# Altium PCB finalproject_pcb.PcbDoc (continued)
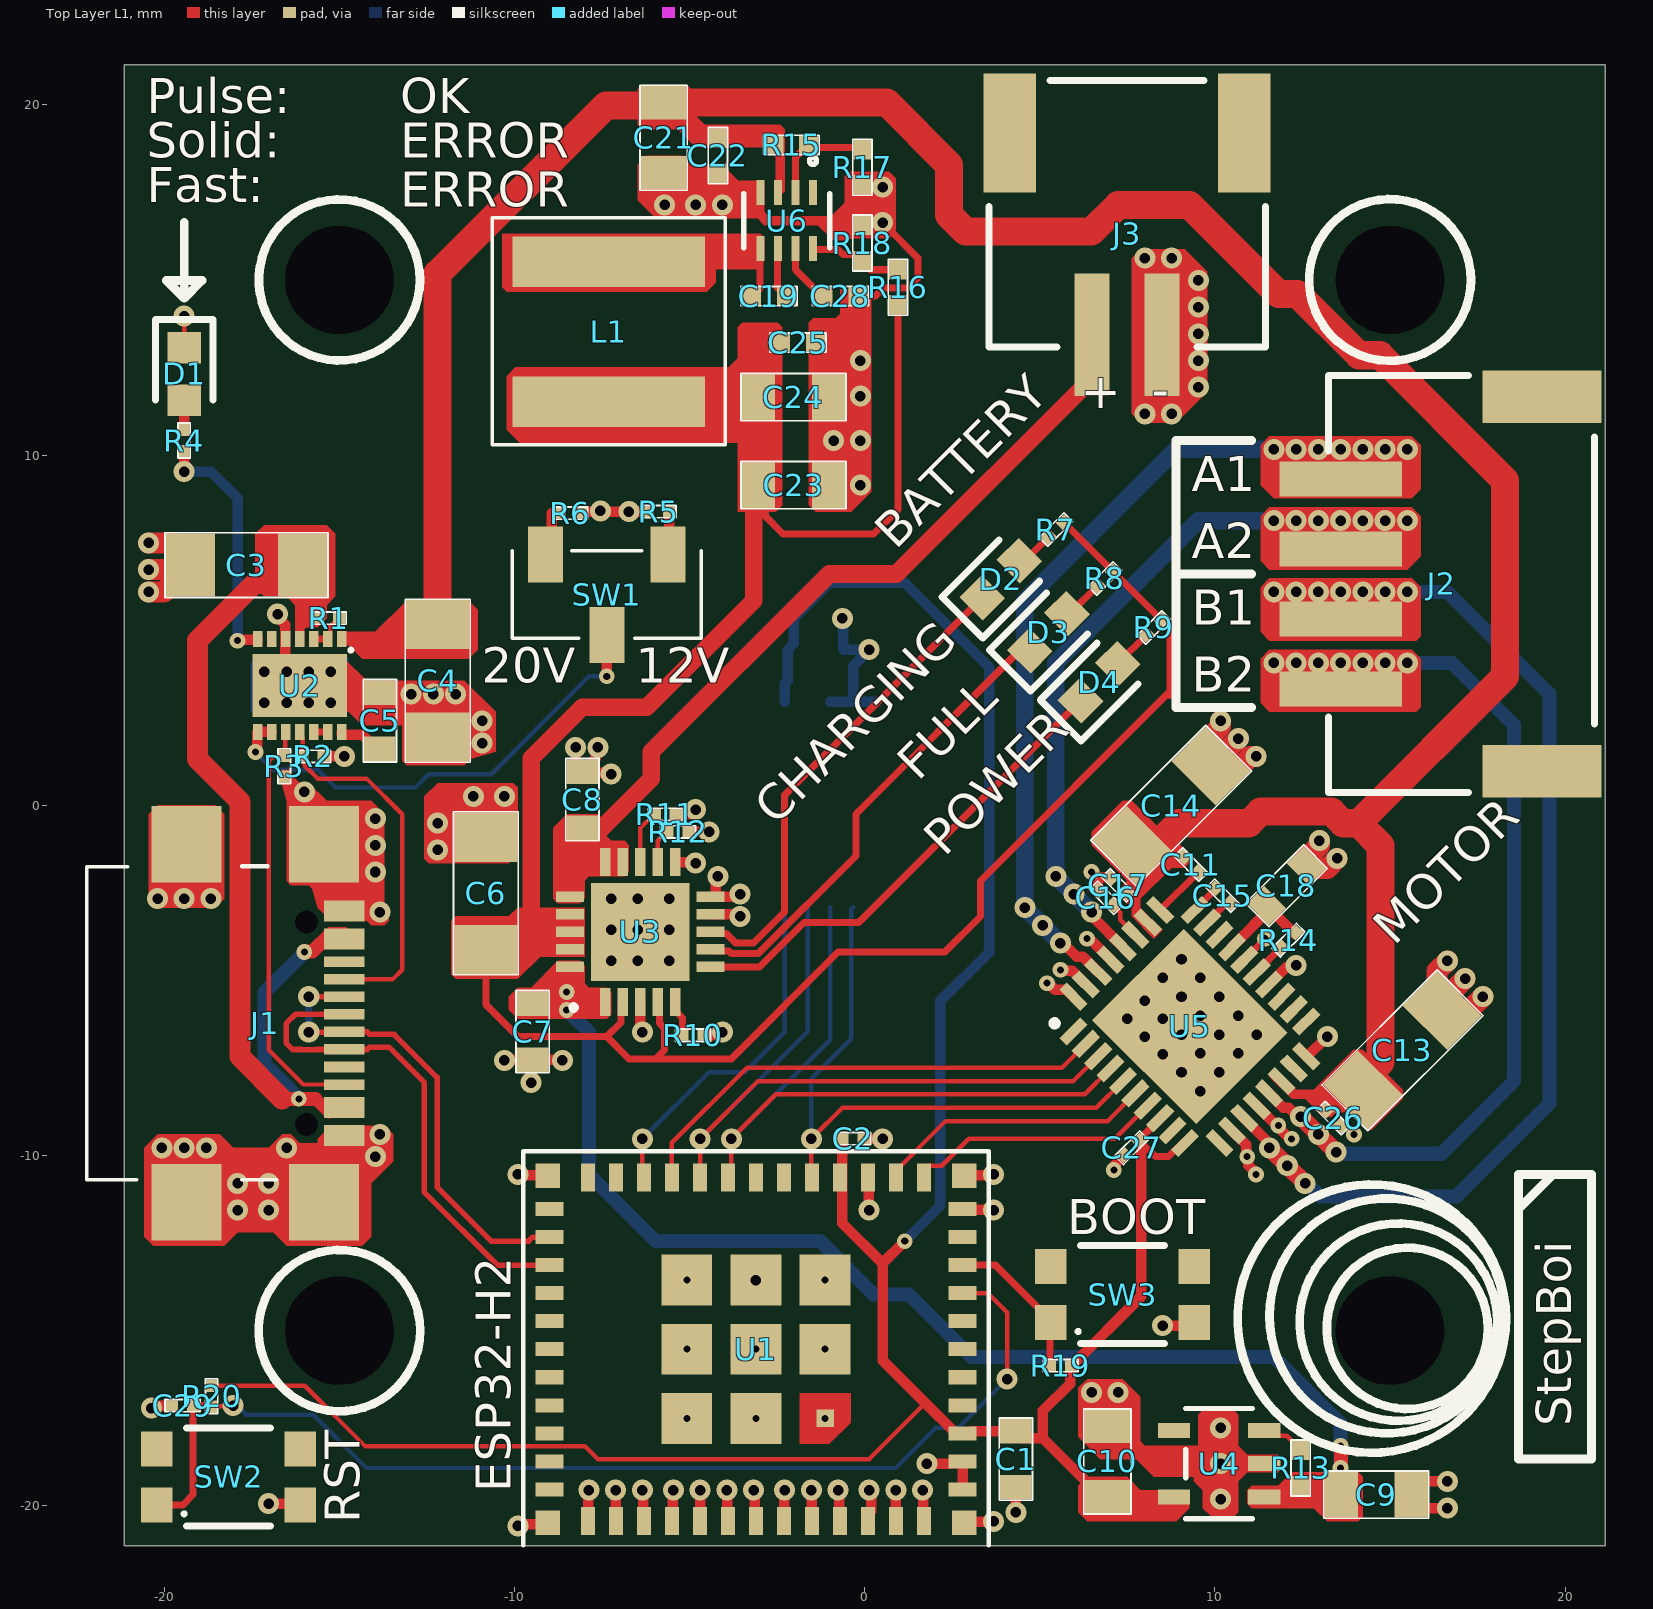
[diagram p0: Top Layer L1 view]
## Footprints (in the part's own frame and the unit in brackets; to place one, negate y for a bottom-side part, rotate by r counter-clockwise, add the part's x,y. Pads: shape width x height; smd on the part's side, far side on the other; paste and mask are expansions set on the pad)
74439346068 [mm]
  rect 5.5x1.45 smd: 1(0,2) 2(0,-2)
  silkscreen extent -3.32,-3.22 3.32,3.25, body extent -3.32,-3.22 3.32,3.22, height 5.2
AP33771CFBZ13FA01 [mm]
  rect 0.27x0.45 smd: 1(-1.2,-1.325) 2(-0.8,-1.325) 3(-0.4,-1.325) 4(0,-1.325) 5(0.4,-1.325) 6(0.8,-1.325) 7(1.2,-1.325) 8(1.2,1.325) 9(0.8,1.325) 10(0.4,1.325) 11(0,1.325) 12(-0.4,1.325) 13(-0.8,1.325) 14(-1.2,1.325)
  rect 2.7x1.8 smd: 15(0,0)
  silkscreen extent -1.5,-1.06 -1.4,-0.96, body extent -1.51,-1.51 1.49,1.49, height 0.75
CAP_0201 [mm]
  rect 0.35x0.3 smd mask+0.05: 1(-0.3,0) 2(0.3,0)
  silkscreen extent -0.5,-0.18 0.5,0.18, body extent -0.3,-0.15 0.3,0.15, height 0.33
CAP_0402 [mm]
  rect 0.55x0.5 smd mask+0.05: 1(-0.5,0) 2(0.5,0)
  silkscreen extent -0.8,-0.28 0.8,0.28, body extent -0.5,-0.25 0.5,0.25, height 0.55
CAP_0603 [mm]
  rect 0.7x0.9 smd mask+0.05: 1(-0.8,0) 2(0.8,0)
  silkscreen extent -1.17,-0.48 1.17,0.48, body extent -0.8,-0.4 0.8,0.4, height 0.9
CAP_0805 [mm]
  rect 0.95x1.3 smd mask+0.05: 1(-1,0) 2(1,0)
  silkscreen extent -1.5,-0.67 1.5,0.67, body extent -1,-0.63 1,0.63, height 1.35
CAP_1206 [mm]
  rect 1.4x1.8 smd mask+0.05: 1(-1.6,0) 2(1.6,0)
  silkscreen extent -2.32,-0.92 2.32,0.92, body extent -1.6,-0.8 1.6,0.8, height 1.4
CJS1200TA2 [mm]
  rect 1x1.6 smd: 1(-1.75,-1.15) 2(0,1.15) 3(1.75,-1.15)
  silkscreen extent -2.7,-1.25 2.7,1.25, body extent -2.7,-1.4 2.7,1.4, height 2.86
KMR232NGULCLFS [mm]
  rect 0.9x1 smd: 1(2.05,0.8) 2(2.05,-0.8) 3(-2.05,-0.8) 4(-2.05,0.8)
  silkscreen extent -1.2,-1.4 1.32,1.4, body extent -2.3,-1.4 2.3,1.4, height 1.92
LEDC1608X70N [mm]
  rect 0.9x0.95 smd: 1(-0.75,0) 2(0.75,0)
  silkscreen extent -1.55,-0.82 0.75,0.82, body extent -0.8,-0.4 0.8,0.4, height 0.53
MODULE_ESP32-H2-MINI-1-H2 [mm]
  rect 0.8x0.4 smd: 1(-5.9,1.3) 2(-5.9,0.5) 3(-5.9,-0.3) 4(-5.9,-1.1) 5(-5.9,-1.9) 6(-5.9,-2.7) 7(-5.9,-3.5) 8(-5.9,-4.3) 9(-5.9,-5.1) 10(-5.9,-5.9) 11(-5.9,-6.7) 25(5.9,-6.7) 26(5.9,-5.9) 27(5.9,-5.1) 28(5.9,-4.3) 29(5.9,-3.5) 30(5.9,-2.7) 31(5.9,-1.9) 32(5.9,-1.1) 33(5.9,-0.3) 34(5.9,0.5) 35(5.9,1.3)
  rect 0.4x0.8 smd: 12(-4.8,-7.6) 13(-4,-7.6) 14(-3.2,-7.6) 15(-2.4,-7.6) 16(-1.6,-7.6) 17(-0.8,-7.6) 18(0,-7.6) 19(0.8,-7.6) 20(1.6,-7.6) 21(2.4,-7.6) 22(3.2,-7.6) 23(4,-7.6) 24(4.8,-7.6) 36(4.8,2.2) 37(4,2.2) 38(3.2,2.2) 39(2.4,2.2) 40(1.6,2.2) 41(0.8,2.2) 42(0,2.2) 43(-0.8,2.2) 44(-1.6,2.2) 45(-2.4,2.2) 46(-3.2,2.2) 47(-4,2.2) 48(-4.8,2.2)
  rect 1.45x1.45 smd: 49_1(0,-2.7) 49_3(0,-0.725) 49_4(1.975,-0.725) 49_5(-1.975,-2.7) 49_6(1.975,-2.7) 49_7(-1.975,-4.675) 49_8(0,-4.675) 49_9(1.975,-4.675)
  rect 0.5x0.5 smd paste-1 mask+0: 49_2(-1.975,-0.725)
  rect 0.7x0.7 smd: 50(5.95,2.25) 51(5.95,-7.65) 52(-5.95,-7.65) 53(-5.95,2.25)
  Top Layer L1 region: -1.25,-1.45 -2.7,-1.45 -2.7,-0.6 -2.1,0 -1.25,0
  silkscreen extent -6.65,-8.35 6.65,2.9, body extent -6.6,-8.3 6.6,8.3, height 2.55
QFN50P400X400X100-21N-D [mm]
  rect 0.8x0.3 smd: 1(-2,1) 2(-2,0.5) 3(-2,0) 4(-2,-0.5) 5(-2,-1) 11(2,-1) 12(2,-0.5) 13(2,0) 14(2,0.5) 15(2,1)
  rect 0.3x0.8 smd: 6(-1,-2) 7(-0.5,-2) 8(0,-2) 9(0.5,-2) 10(1,-2) 16(1,2) 17(0.5,2) 18(0,2) 19(-0.5,2) 20(-1,2)
  rect 2.8x2.8 smd: 21(0,0)
  silkscreen extent -2.18,1.88 -2.13,1.93, body extent -2.05,-2.05 2.05,2.05, height 1
QFN50P500X600X90-37N [mm]
  rect 0.85x0.3 smd: 1(-2.45,2.25) 2(-2.45,1.75) 3(-2.45,1.25) 4(-2.45,0.75) 5(-2.45,0.25) 6(-2.45,-0.25) 7(-2.45,-0.75) 8(-2.45,-1.25) 9(-2.45,-1.75) 10(-2.45,-2.25) 19(2.45,-2.25) 20(2.45,-1.75) 21(2.45,-1.25) 22(2.45,-0.75) 23(2.45,-0.25) 24(2.45,0.25) 25(2.45,0.75) 26(2.45,1.25) 27(2.45,1.75) 28(2.45,2.25)
  rect 0.3x0.85 smd: 11(-1.75,-2.95) 12(-1.25,-2.95) 13(-0.75,-2.95) 14(-0.25,-2.95) 15(0.25,-2.95) 16(0.75,-2.95) 17(1.25,-2.95) 18(1.75,-2.95) 29(1.75,2.95) 30(1.25,2.95) 31(0.75,2.95) 32(0.25,2.95) 33(-0.25,2.95) 34(-0.75,2.95) 35(-1.25,2.95) 36(-1.75,2.95)
  rect 3.7x4.2 smd: 37(0,0)
  silkscreen extent -2.72,2.74 -2.62,2.84, body extent -2.55,-3.06 2.55,3.04, height 0.9
RES_0201 [mm]
  rect 0.35x0.3 smd mask+0.05: 1(-0.3,0) 2(0.3,0)
  silkscreen extent -0.5,-0.18 0.5,0.18, body extent -0.3,-0.15 0.3,0.15, height 0.23
RES_0402 [mm]
  rect 0.55x0.5 smd mask+0.05: 1(-0.5,0) 2(0.5,0)
  silkscreen extent -0.8,-0.28 0.8,0.28, body extent -0.5,-0.25 0.5,0.25, height 0.35
S2BPHSM4TBLFSN [mm]
  rect 1x3.5 smd: 1(1,-3.45) 2(-1,-3.45)
  rect 1.5x3.4 smd: 3(3.35,2.3) 4(-3.35,2.3)
  silkscreen extent -3.95,-3.8 3.95,3.8, body extent -3.96,-4.55 3.94,4.05, height 5.5
S4BPHSM4TBLFSN [mm]
  rect 1x3.5 smd: 1(3,-3.45) 2(1,-3.45) 3(-1,-3.45) 4(-3,-3.45)
  rect 1.5x3.4 smd: 5(5.35,2.3) 6(-5.35,2.3)
  silkscreen extent -5.95,-3.8 5.95,3.8, body extent -6.04,-4.69 5.86,3.91, height 5.5
SOP65P640X120-16N [mm]
  rect 1.475x0.45 smd: 1(-2.938,2.275) 2(-2.938,1.625) 3(-2.938,0.975) 4(-2.938,0.325) 5(-2.938,-0.325) 6(-2.938,-0.975) 7(-2.938,-1.625) 8(-2.938,-2.275) 9(2.938,-2.275) 10(2.938,-1.625) 11(2.938,-0.975) 12(2.938,-0.325) 13(2.938,0.325) 14(2.938,0.975) 15(2.938,1.625) 16(2.938,2.275)
  silkscreen extent -3.67,-2.5 1.85,2.85, body extent -3.2,-2.5 3.2,2.5, height 1.2
SOT-5X3-8_DRL_TEX [mil]
  rect 28x9 smd paste+0 mask+0: 1(-31.5,29.53) 2(-31.5,9.84) 3(-31.5,-9.85) 4(-31.5,-29.53) 5(31.5,-29.53) 6(31.5,-9.85) 7(31.5,9.84) 8(31.5,29.53)
  silkscreen extent -71,-49 31,49, body extent -34,-44 34,44, height 24
SOT-25_TOR [mil]
  rect 36.5x17 smd paste+0 mask+0: 1(-50.75,37.4) 2(-50.75,0) 3(-50.75,-37.4) 4(50.75,-37.4) 5(50.75,37.4)
  silkscreen extent -38,-62 38,62, body extent -55,-57 55,57, height 51
USB4110GFA [mm]
  rect 0.3x1.15 smd: A1(-3.35,3.678) A4(-2.55,3.678) A5(-1.25,3.678) A6(-0.25,3.678) A7(0.25,3.678) A8(1.25,3.678) A9(2.55,3.678) A12(3.35,3.678) B1(3.05,3.678) B4(2.25,3.678) B5(1.75,3.678) B6(0.75,3.678) B7(-0.75,3.678) B8(-1.75,3.678) B9(-2.25,3.678) B12(-3.05,3.678)
  round 0.325 hole 0.65 unplated: MH1(-2.89,2.603) MH2(2.89,2.603)
  rect 2.18x2 smd: MP1(-5.11,-0.827) MP2(5.11,-0.827) MP3(-5.11,3.103) MP4(5.11,3.103)
  silkscreen extent -4.5,-3.68 4.47,1.75, body extent -5.65,-3.87 5.65,3.83, height 3.26

## Part data
D1 D2 D3 D4: "Red 615~630nm 1.9~2.2V 0603 Light Emitting Diodes (LED) RoHS", Manufacturer_Name="Hubei KENTO Elec", Datasheet Link=https://datasheet.lcsc.com/szlcsc/Hubei-KENTO-Elec-KT-0603R_C2286.pdf, Geometry.Height=0.7mm, Manufacturer_Part_Number=KT-0603R
J1: "CONN USB 2.0 TYPE-C R/A SMT", Manufacturer_Name="GCT (GLOBAL CONNECTOR TECHNOLOGY)", Mouser Part Number=640-USB4110-GF-A, Datasheet Link=https://gct.co/files/drawings/usb4110.pdf, Geometry.Height=3.26mm, Manufacturer_Part_Number=USB4110-GF-A, Mouser Price/Stock=https://www.mouser.co.uk/ProductDetail/GCT/USB4110-GF-A?qs=KUoIvG%2F9IlYiZvIXQjyJeA%3D%3D
J2: "Connector Header Surface Mount, Right Angle 4 position 0.079\" (2.00mm)", Manufacturer_Name="JST (JAPAN SOLDERLESS TERMINALS)", Manufacturer_Part_Number="S4B-PH-SM4-TB (LF)(SN)", Datasheet Link=https://www.jst-mfg.com/product/pdf/eng/ePH.pdf, Geometry.Height=5.5mm
J3: "Connector Header Surface Mount, Right Angle 2 position 0.079\" (2.00mm)", Manufacturer_Name="JST (JAPAN SOLDERLESS TERMINALS)", Manufacturer_Part_Number="S2B-PH-SM4-TB (LF)(SN)", Datasheet Link=https://www.jst-mfg.com/product/pdf/eng/ePH.pdf, Geometry.Height=5.5mm
L1: library part 74439346068, "WE-XHMI SMT Power Inductor Size 6060; L = 6,8 H ; IR = 6,5 A; Isat = 10 A; RDC = 17,6 m", Manufacturer_Name="Wurth Elektronik", Mouser Part Number=710-74439346068, Datasheet Link=https://www.we-online.com/catalog/datasheet/74439346068.pdf, Geometry.Height=6.1mm, Manufacturer_Part_Number=74439346068, Mouser Price/Stock=https://www.mouser.co.uk/ProductDetail/Wurth-Elektronik/74439346068?qs=NSAOzM2zc%2FVj5BeHYKNgfQ%3D%3D
SW1: "SPDT, ON-ON Slide, 100mA @ 6V DC J-Hook SMD Terminals, T&R 1,000 pc Packaging, Non-washable with tape - Tape and Reel", Manufacturer_Name="Nidec Copal", Mouser Part Number=229-CJS-1200TA2, Datasheet Link=http://www.nidec-copal-electronics.com/j/catalog/switch/cjs.pdf, Geometry.Height=2.5mm, Manufacturer_Part_Number=CJS-1200TA2, Mouser Price/Stock=https://www.mouser.co.uk/ProductDetail/Nidec-Components/CJS-1200TA2?qs=XeJtXLiO41Rf26ws0igWdA%3D%3D
SW2 SW3: "Tactile Switch SPST-NO Top Actuated Surface Mount 0.05A @ 32VDC -40C ~ 85C", Arrow Part Number="KMR232NG ULC LFS", Manufacturer_Name="C & K COMPONENTS", Mouser Part Number=611-KMR232NGULCLFS, Arrow Price/Stock=https://www.arrow.com/en/products/kmr232ngulclfs/ck?region=nac, Datasheet Link=https://www.vishay.com/docs/96283/vs-mbr2035_45ct-m3.pdf, Geometry.Height=2.7mm, Manufacturer_Part_Number="KMR232NG ULC LFS", Mouser Price/Stock=https://www.mouser.co.uk/ProductDetail/CK/KMR232NG-ULC-LFS?qs=3gW96gqhLbq2FY2oEdURkw%3D%3D
U1: "802.15.4, Bluetooth Bluetooth v5.3, ZigbeeÂ® Transceiver Module 2.4GHz Integrated, Trace Surface Mount", Package="SMD-53 Espressif Systems", Check_prices=https://www.snapeda.com/parts/ESP32-H2-MINI-1-H2/Espressif+Systems/view-part/?ref=eda, MF="Espressif Systems", MP=ESP32-H2-MINI-1-H2, SnapEDA_Link=https://www.snapeda.com/parts/ESP32-H2-MINI-1-H2/Espressif+Systems/view-part/?ref=snap
U2: "Easy-To-Use USB PD3.1 EPR Sink Controller", Manufacturer_Name="Diodes Incorporated", Mouser Part Number=621-P33771CFBZ13FA01, Arrow Part Number=AP33771CFBZ-13-FA01, Arrow Price/Stock=https://www.arrow.com/en/products/ap33771cfbz-13-fa01/diodes-incorporated?utm_currency=USD&region=nac, Datasheet Link=https://www.diodes.com/datasheet/download/AP33771C.pdf, Geometry.Height=0.8mm, Manufacturer_Part_Number=AP33771CFBZ-13-FA01, Mouser Price/Stock=https://www.mouser.co.uk/ProductDetail/Diodes-Incorporated/AP33771CFBZ-13-FA01?qs=2wMNvWM5ZX7JpCFGcPz6nw%3D%3D
U3: "MICROCHIP - MCP73871-1AAI/ML - USB/AC BATTERY CHARGER WITH POWER PATH MANAGEMENT, 20 QFN 4X4X0.9MM TUBE", Arrow Part Number=MCP73871-1AAI/ML, Manufacturer_Name=Microchip, Mouser Part Number=579-MCP73871-1AAI/ML, Arrow Price/Stock=https://www.arrow.com/en/products/mcp73871-1aaiml/microchip-technology, Datasheet Link=https://www.arrow.com/en/products/mcp73871-1aaiml/microchip-technology, Geometry.Height=1mm, Manufacturer_Part_Number=MCP73871-1AAI/ML, Mouser Price/Stock=https://www.mouser.co.uk/ProductDetail/Microchip-Technology/MCP73871-1AAI-ML?qs=wd5RIQLrsJigic%252B62l919g%3D%3D
U4: "Description", Manufacturer_Name="Torex Semiconductor", Copyright="Copyright (C) 2025 Ultra Librarian. All rights reserved.", Manufacturer_Part_Number=XC6220B331MR-G, RefDes=RefDes, Type=Type
U5: "Silent stepper motor driver 5 to 46V, up to 1.2A with S/D and SPI Interface, 256 Steps, CoolStep, StallGuard and StealthChop", Manufacturer_Name="Analog Devices", Mouser Part Number=700-TMC2130LA, Arrow Part Number=TMC2130-LA, Arrow Price/Stock=https://www.arrow.com/en/products/tmc2130-la/analog-devices?utm_currency=USD&region=nac, Datasheet Link=https://www.analog.com/TMC2130/datasheet, Geometry.Height=0.9mm, Manufacturer_Part_Number=TMC2130-LA, Mouser Price/Stock=https://www.mouser.co.uk/ProductDetail/ADI-Trinamic/TMC2130-LA?qs=TiOZkKH1s2ScTTewbXPgVg%3D%3D
U6: "3.8-V to 30-V, 3-A, 200-kHz to 2.2-MHz, low-IQ synchronous buck converter in SOT-583 package 8-SOT-5X3 -40 to 150", Manufacturer_Name="Texas Instruments", Copyright="Copyright (C) 2025 Ultra Librarian. All rights reserved.", Manufacturer_Part_Number=TPS62933DRLR, RefDes=RefDes, Type=Type
U7: "21-Bit High Accuracy Magnetic Angle Encoder IC", Manufacturer_Name=NOVOSENSE, Datasheet Link=https://www.novosns.com/enfiles/MT6835_Rev.1.3.pdf, Geometry.Height=1.2mm, Manufacturer_Part_Number=MT6835

## Free pads (board coordinates)
  round 0 hole 3.1 mask+0.064: 2(-15,-15) 2(-15,15) 2(15,-15) 2(15,15)

## Via types
v1: diameter 0.6, hole 0.3, Top Layer L1 to Bottom Layer L4, tented both sides, 199 vias
v2: diameter 0.45, hole 0.2, Top Layer L1 to Bottom Layer L4, tented both sides, 29 vias

## Nets (pads, with @x,y where several pads share a name; then routed paths per layer and width w, separated by ;. In a path a pad name is that pad's centre, name@x,y a point inside that pad or via, vN(x,y) a via of type N, cw(c..) or ccw(c..) an arc to the next point about the centre after c; other vN are vias at no path point)
3V3: C1.2 C2.1 C10.2 C12.2 C27.2 R19.2 R20.2 U1.3 U1.15 U4.5 U5.8 U5.10 U7.9 | length 76.8
  Top Layer L1 w0.127: R20.2 -15.99,-16.575 -14.268,-18.297 -7.992,-18.297 -7.62,-18.669 0.127,-18.669 1.729,-17.067
  Top Layer L1 w0.2: U5.8 8.435,-8.948 7.832,-9.551 C27.2 8.298,-10.033 8.678,-10.033 9.072,-9.64 U5.10
  Top Layer L1 w0.3: C2.1 -0.638,-11.935 0.508,-13.081 ; v2(1.143,-12.446) 0.508,-13.081 ; C10.2 6.751,-19.737 5.083,-18.069 ; C27.2 7.814,-9.585 7.889,-9.659 7.889,-14.026 5.913,-16.002 R19.2 5.863,-16.002 5.863,-16.514 5.083,-17.294 5.083,-18.069 ; 0.508,-13.081 0.508,-15.846 1.729,-17.067 2.594,-17.932 U1.3 2.994,-17.932 3.057,-17.869 C1.2 4.518,-18.069 5.083,-18.069
  Bottom Layer L4 w0.3: U7.9 -2.281,3.475 -2.197,3.559 C12.2 -2.021,4.621 -2.021,5.345 -1.016,6.35 1.143,6.35 3.556,3.937 3.556,-4.191 2.159,-5.588 2.159,-11.43 v2(1.143,-12.446)
5V: C6.2 C23.2 C24.2 C25.2 L1.2 R7.2 R8.2 R9.2 R16.2 U3.2 U3.4 U3.17 U3.18 U3.19 | length 64.8
  Top Layer L1 w0.2: C6.2 -10.815,-5.695 -9.906,-6.604 -7.366,-6.604 ; U3.2 -6.959,-5.665 -6.959,-6.197 -7.366,-6.604 ; U3.4 -5.859,-5.665 -5.859,-6.223 -5.715,-6.367 -5.715,-6.985 -5.969,-7.239 ; R7.2 8.716,5.044 ; 8.716,3.128 8.716,4.917 ; 8.716,3.255 3.302,-2.159 3.302,-3.175 2.286,-4.191 -0.762,-4.191 -3.81,-7.239 -5.969,-7.239 ; -7.366,-6.604 -6.731,-7.239 -5.969,-7.239
  Top Layer L1 w0.203: C23.2 -2.842,8.953 -2.842,8.257 -2.331,7.747 0.254,7.747 0.948,8.441 R16.2
  Top Layer L1 w0.5: C6.2 -10.365,-3.662 -9.797,-3.662 -9.525,-3.39 -9.525,1.338 -8.069,2.794 -6.223,2.794 -3.175,5.842 -3.175,9.001 C23.2
5VOUT: C18.2 R14.2 U5.25 | length 2.7
  Top Layer L1 w0.3: U5.25 10.68,-3.859 10.68,-3.85 11.472,-3.058 C18.2 12.222,-3.614 R14.2@12.222,-3.657
A1: J2.4 U5.34 | length 24.3
  Top Layer L1 w0.3: v1(5.588,-3.937) 5.669,-3.937 6.058,-4.326 6.233,-4.326 U5.34
  Bottom Layer L4 w0.5: v1(5.588,-3.937) v1(5.08,-3.429) v1(4.572,-2.921) 4.572,5.842 8.89,10.16 v1(15.494,10.16)
  other v1: 11.684,10.16 12.319,10.16 12.954,10.16 13.589,10.16 14.224,10.16 14.859,10.16
A2: J2.3 U5.32 | length 20.6
  Top Layer L1 w0.3: v1(6.477,-3.048) 6.534,-3.105 6.534,-3.214 U5.32
  Bottom Layer L4 w0.5: v1(6.477,-3.048) v1(5.969,-2.54) v1(5.461,-2.032) 5.461,4.064 9.525,8.128 v1(15.494,8.128)
  other v1: 11.684,8.128 12.319,8.128 12.954,8.128 13.589,8.128 14.224,8.128 14.859,8.128
B1: J2.2 U5.13 | length 33
  Top Layer L1 w0.3: U5.13 11.5,-9.593 11.5,-9.722 v1(11.557,-9.779)
  Top Layer L1 w0.5: v1(11.557,-9.779) v1(12.065,-10.287) v1(12.573,-10.795)
  Bottom Layer L4 w0.4: v1(11.557,-9.779) v1(12.065,-10.287) v1(12.573,-10.795) 12.627,-10.795 13.008,-11.176 16.891,-11.176 19.558,-8.509 19.558,3.175 16.637,6.096 v1(11.684,6.096)
  other v1: 12.319,6.096 12.954,6.096 13.589,6.096 14.224,6.096 14.859,6.096 15.494,6.096
B2: J2.1 U5.15 | length 27.8
  Top Layer L1 w0.3: U5.15 11.954,-8.634 12.108,-8.634 12.365,-8.89 v1(12.446,-8.89)
  Top Layer L1 w0.5: v1(12.446,-8.89) v1(12.954,-9.398) v1(13.462,-9.906)
  Bottom Layer L4 w0.4: v1(11.684,4.064) 16.764,4.064 18.542,2.286 18.542,-7.874 16.466,-9.95 13.741,-9.95 13.736,-9.944 13.5,-9.944 v1(13.462,-9.906) v1(12.954,-9.398) v1(12.446,-8.89)
  other v1: 12.319,4.064 12.954,4.064 13.589,4.064 14.224,4.064 14.859,4.064 15.494,4.064
BOOT: R19.1 SW3.1 U1.9 | length 4.5
  Top Layer L1 w0.2: U1.9 3.728,-13.132 5.316,-14.72 SW3.1 5.288,-14.798 R19.1
CC1: J1.A5 R2.2 U2.11 | length 10.6
  Top Layer L1 w0.127: U2.11 -16.127,2.005 -16.048,1.925 R2.2 -15.99,1.339 -15.99,1.131 -15.621,0.762 -14.224,0.762 -13.208,-0.254 -13.208,-4.699 -13.482,-4.973 J1.A5
CC2: J1.B5 R3.2 U2.10 | length 12
  Top Layer L1 w0.127: U2.10 -16.551,2.071 -16.551,1.438 -16.616,1.373 -16.915,1.373 -17.018,1.27 -17.018,-6.985 -16.03,-7.973 J1.B5
DIR: U1.12 U5.7 | length 7.4
  Top Layer L1 w0.127: U1.12 1.694,-10.432 1.83,-10.295 2.197,-10.295 2.968,-9.525 7.136,-9.525 U5.7
GND: C1.1 C2.2 C3.1 C4.1 C5.1 C6.1 C7.1 C8.1 C9.1 C10.1 C12.1 C13.1 C14.1 C16.1 C17.1 C18.1 C21.1 C22.1 C23.1 C24.1 C25.1 C26.1 C27.1 C28.1 C29.1 D1.1 J1.A1 J1.A12 J1.B1 J1.B12 J1.MP1 J1.MP2 J1.MP3 J1.MP4 J3.1 R2.1 R3.1 R5.2 R6.2 R10.1 R11.1 R12.1 R17.1 R18.1 SW2.4 SW3.4 U1.1 U1.2 U1.11 U1.14 U1.36 U1.37 U1.38 U1.39 U1.40 U1.41 U1.42 U1.43 U1.44 U1.45 U1.46 U1.47 U1.48 U1.49_1 U1.49_2 U1.49_3 U1.49_4 U1.49_5 U1.49_6 U1.49_7 U1.49_8 U1.49_9 U1.50 U1.51 U1.52 U1.53 U2.5 U2.15 U3.3 U3.9 U3.10 U3.11 U3.21 U4.2 U5.12 U5.14 U5.18 U5.22 U5.24 U5.33 U5.35 U5.36 U5.37 U6.4 U7.11 U7.12 U7.13 | length 77.6
  Top Layer L1 w0.127: D1.1 v1(-19.431,13.97)
  Top Layer L1 w0.2: C28.1 0.313,14.537 0.544,14.768 1.235,14.768 1.524,15.057 1.524,15.621 0.635,16.51 0.635,16.637 v1(0.508,16.637) ; U5.24 10.839,-4.404 11.43,-3.813 v2(11.43,-3.81)
  Top Layer L1 w0.3: v1(-20.366,-17.217) -20.285,-17.217 -20.213,-17.145 C29.1 ; v1(-17.018,-19.939) -16.149,-19.939 SW2.4 ; v1(-16.764,5.461) -16.764,5.38 -16.541,5.157 -16.541,3.841 v1(-16.51,3.81) ; R2.1 v1(-14.859,1.397) ; C6.1@-11.069,-0.658 C6.1 C6.1@-10.409,-1.318 ; C6.1@-10.459,-0.556 C6.1@-10.307,-0.404 ; v1(-10.287,-7.282) -10.277,-7.272 C7.1@-9.496,-7.272 ; v1(-9.906,-20.574) -9.86,-20.528 -9.102,-20.528 U1.50 ; v1(-9.906,-10.541) -9.885,-10.562 -9.077,-10.562 U1.51 ; v1(-9.525,-7.917) -9.525,-7.3 C7.1@-9.496,-7.272 ; v1(-8.636,-7.282) -8.646,-7.272 C7.1@-9.496,-7.272 ; v1(-8.255,1.651) -8.255,1.155 C8.1 -8.025,0.925 -7.275,0.925 v1(-7.239,0.889) ; R6.2 -8.08,8.343 -8.041,8.382 R5.2 ; C8.1@-7.961,0.962 -7.761,1.162 -7.761,1.262 -7.677,1.346 -7.677,1.594 v1(-7.62,1.651) ; U1.36 -7.89,-20.416 -7.89,-19.574 v1(-7.874,-19.558) ; v1(-7.112,-19.558) -7.109,-19.561 -7.109,-20.429 U1.37 ; U3.3 -6.409,-6.337 -6.35,-6.396 v1(-6.35,-6.477) ; v1(-6.35,-19.558) -6.328,-19.58 -6.328,-20.41 U1.38 ; U1.39 -5.483,-20.409 -5.483,-19.58 v1(-5.461,-19.558) ; U3.11 -5.409,-1.633 -4.844,-1.633 v1(-4.826,-1.651) ; R11.1 -5.041,-0.26 -4.907,-0.127 v1(-4.826,-0.127) ; R12.1 v1(-4.445,-0.762) ; U1.40 -4.703,-20.429 -4.703,-19.562 v1(-4.699,-19.558) ; R10.1 -4.235,-6.567 -4.145,-6.477 v1(-4.064,-6.477) ; U3.9 -3.697,-3.115 -3.637,-3.175 v1(-3.556,-3.175) ; v1(-4.191,-2.032) -4.248,-2.089 -4.248,-2.615 U3.10 -3.712,-2.615 -3.637,-2.54 v1(-3.556,-2.54) ; v1(-3.937,-19.558) -3.922,-19.573 -3.922,-20.417 U1.41 ; v1(-3.175,-19.558) -3.14,-19.593 -3.14,-20.398 U1.42 ; U1.43 -2.296,-20.422 -2.296,-19.568 v1(-2.286,-19.558) ; v1(-1.524,-19.558) -1.515,-19.567 -1.515,-20.423 U1.44 ; v1(-0.762,-19.558) -0.734,-19.586 -0.734,-20.404 U1.45 ; C2.2 0.5,-9.517 v1(0.508,-9.525) ; U1.46 0.094,-20.232 0.184,-20.142 0.184,-19.615 v1(0.127,-19.558) ; U1.14 0.111,-10.649 0.111,-11.541 v1(0.127,-11.557) ; v1(0.889,-19.558) 0.891,-19.56 0.891,-20.43 U1.47 ; v1(1.651,-19.558) 1.672,-19.579 1.672,-20.411 U1.48 ; v1(1.778,-18.796) 2.43,-18.796 2.444,-18.782 2.744,-18.782 U1.2 U1.1 ; U1.11 2.806,-11.545 3.671,-11.545 v1(3.683,-11.557) ; U1.53 2.862,-20.465 3.665,-20.465 v1(3.683,-20.447) ; U1.52 2.865,-10.562 3.662,-10.562 v1(3.683,-10.541) ; v1(4.318,-20.193) C1.1 ; v2(5.207,-5.08) 5.248,-5.08 5.441,-5.274 5.766,-5.274 U5.36 ; v2(5.588,-4.699) 5.617,-4.728 5.927,-4.728 U5.35 ; v2(6.35,-3.81) 6.379,-3.839 6.452,-3.839 U5.33 ; v1(6.477,-16.764) 6.477,-17.412 6.802,-17.737 C10.1 7.239,-17.424 v1(7.239,-16.764) ; C16.1 6.655,-2.411 6.655,-2.123 6.477,-1.946 v2(6.477,-1.905) 6.518,-1.905 6.669,-2.056 7.009,-2.056 C17.1 ; v2(7.112,-10.414) 7.141,-10.385 7.141,-10.258 C27.1 ; v1(8.509,-14.859) 9.327,-14.859 SW3.4 ; U5.12 10.893,-9.694 10.893,-10.004 v2(10.922,-10.033) 10.951,-10.062 10.951,-10.275 11.176,-10.5 v2(11.176,-10.541) ; U5.14 12.11,-9.496 12.163,-9.496 v2(12.192,-9.525) ; U5.22 12.031,-4.629 12.262,-4.629 v1(12.319,-4.572) ; U5.18 12.627,-7.185 v1(13.208,-6.604) ; C9.1 15.605,-19.741 15.93,-20.066 v1(16.637,-20.066) ; C9.1@15.605,-19.629 15.93,-19.304 v1(16.637,-19.304)
  Top Layer L1 w0.6: v1(-20.447,6.096) -20.015,6.096 -19.853,6.258 -19.653,6.258 -19.253,6.658 C3.1 ; v1(-20.447,6.731) -19.38,6.731 C3.1 ; v1(-20.447,7.493) -19.888,7.493 -19.853,7.458 -19.653,7.458 -19.253,7.058 C3.1 ; v1(10.16,2.413) 10.16,2.246 9.741,1.827 9.741,1.261 C14.1 ; v1(10.668,1.905) C14.1 ; v1(11.176,1.397) 11.009,1.397 10.59,0.978 10.024,0.978 C14.1 ; v1(12.983,-1.011) 12.983,-1.141 12.533,-1.592 12.533,-1.662 C18.1 12.675,-1.804 13.207,-1.804 v1(13.491,-1.519) ; v1(16.637,-4.445) 16.345,-4.737 16.345,-5.724 C13.1 ; v1(17.145,-4.953) 16.487,-5.611 C13.1 ; v1(17.653,-5.461) 17.151,-5.963 16.585,-5.963 C13.1
  Bottom Layer L4 w0.3: U7.11 U7.12 ; v1(-0.635,5.334) -0.616,5.315 -0.616,4.464 C12.1 v1(0.127,4.445) -0.331,3.987 U7.12 ; U7.13 U7.12
  other v1: 10.16,-19.812 10.16,-18.796 10.16,-17.78 -3.106,-13.557 -17.907,-11.557 -17.018,-11.557 -17.907,-10.795 -17.018,-10.795 -13.97,-10.033 -20.066,-9.779 -19.431,-9.779 -18.796,-9.779 -16.51,-9.779 -13.843,-9.398 9.584,-8.162 9.045,-7.623 10.123,-7.623 8.509,-7.112 9.584,-7.085 10.662,-7.085 8.001,-6.604 9.045,-6.546 10.123,-6.546 11.201,-6.546 7.493,-6.096 8.509,-6.096 9.584,-6.007 10.662,-6.007 8.001,-5.588 9.045,-5.468 10.123,-5.468 8.506,-4.929 9.584,-4.929 -7.239,-4.445 -6.477,-4.445 -5.588,-4.445 9.045,-4.39 -7.239,-3.556 -6.477,-3.556 -5.588,-3.556 -13.843,-3.048 -20.193,-2.667 -19.431,-2.667 -18.669,-2.667 -7.239,-2.667 -6.477,-2.667 -5.588,-2.667 -13.97,-1.905 -12.192,-1.27 -13.97,-1.143 -12.192,-0.508 -13.97,-0.381 -11.176,0.254 -10.287,0.254 -16.002,0.381 -10.922,1.778 -10.922,2.413 -17.145,2.921 -16.51,2.921 -15.875,2.921 -15.24,2.921 -12.954,3.175 -12.319,3.175 -11.684,3.175 -17.145,3.81 -15.875,3.81 -15.24,3.81 -6.731,8.382 -7.548,8.404 -0.127,9.144 -0.889,10.414 -0.127,10.414 8.001,11.176 8.763,11.176 -0.127,11.684 9.525,11.938 -0.127,12.7 9.525,12.7 9.525,13.462 9.525,14.224 9.525,14.986 8.001,15.621 8.763,15.621 -5.715,17.145 -4.826,17.145 -4.064,17.145 0.508,17.653
  other v2: -5.081,-17.507 -3.106,-17.507 -1.131,-17.507 -5.081,-15.532 -3.106,-15.532 -1.131,-15.532 -5.081,-13.557 -1.131,-13.557 13.97,-9.398 11.811,-9.144
NetC5_2: C5.2 U2.14 | length 1.3
  Top Layer L1 w0.3: U2.14 -14.927,2.035 -14.912,2.02 -14.35,2.02 -13.943,1.613 C5.2
NetC11_1: C11.1 U5.29 | length 1.5
  Top Layer L1 w0.2: U5.29 8.437,-2.993 C11.1
NetC15_1: C15.1 U5.28 | length 0.9
  Top Layer L1 w0.2: U5.28 9.425,-2.974 10.011,-2.388 C15.1
NetC15_2: C15.2 U5.27 | length 0.9
  Top Layer L1 w0.2: U5.27 10.349,-2.777 10.419,-2.777 C15.2
NetC16_2: C16.2 U5.31 | length 1.1
  Top Layer L1 w0.127: C16.2 7.096,-2.872 7.293,-3.068 7.293,-3.265 U5.31
NetC19_1: C19.1 L1.1 U6.5 | length 1.5
  Top Layer L1 w0.203: C19.1 -3.21,14.537 -2.989,14.758 U6.5@-2.989,15.934
NetC19_2: C19.2 U6.6 | length 1.5
  Top Layer L1 w0.203: U6.6@-2.489,15.934 -2.489,14.766 -2.26,14.537 C19.2
NetC28_2: C28.2 U6.7 | length 1.7
  Top Layer L1 w0.203: U6.7 -1.977,15.294 -1.22,14.537 C28.2
NetD1_2: D1.2 R4.1 | length 0.9
  Top Layer L1 w0.3: R4.1 D1.2
NetD2_1: D2.1 U3.8 | length 13.9
  Top Layer L1 w0.2: U3.8 -4.359,-3.665 -3.955,-3.665 -3.683,-3.937 -3.175,-3.937 -2.286,-3.048 -2.286,0.287 D2.1
NetD2_2: D2.2 R7.1 | length 1.1
  Top Layer L1 w0.2: D2.2 4.574,6.987 R7.1
NetD3_1: D3.1 U3.7 | length 13.5
  Top Layer L1 w0.2: U3.7 -4.359,-4.165 -3.882,-4.165 -3.808,-4.239 -3.05,-4.239 -0.254,-1.443 -0.254,-0.254 4.414,4.414 D3.1
NetD3_2: D3.2 R8.1 | length 1.2
  Top Layer L1 w0.2: D3.2 5.855,5.474 R8.1
NetD4_1: D4.1 U3.6 | length 13.7
  Top Layer L1 w0.2: U3.6 -3,-4.615 -1.732,-3.348 -0.171,-3.348 D4.1
NetD4_2: D4.2 R9.1 | length 1.2
  Top Layer L1 w0.2: D4.2 D4.2 R9.1
NetR1_2: R1.2 U2.2 U2.3 | length 1.2
  Top Layer L1 w0.127: U2.2 -15.256,4.816 -15.256,5.118 -15.027,5.346 R1.2
  Top Layer L1 w0.203: U2.3 U2.2
NetR4_2: R4.2 U2.7 | length 7.1
  Top Layer L1 w0.3: v1(-19.431,9.525) R4.2 ; v2(-17.907,4.699) -17.884,4.722 -17.342,4.722 -17.327,4.737 U2.7
  Bottom Layer L4 w0.3: v1(-19.431,9.525) -18.669,9.525 -17.907,8.763 v2(-17.907,4.699)
NetR5_1: R5.1 SW1.1 | length 1.2
  Top Layer L1 w0.3: SW1.1 -5.588,7.19 R5.1
NetR6_1: R6.1 SW1.3 | length 1.5
  Top Layer L1 w0.3: SW1.3 -8.937,7.342 -8.937,8.343 R6.1
NetR10_2: R10.2 U3.5 | length 1
  Top Layer L1 w0.2: U3.5 -5.409,-5.865 -5.205,-6.069 R10.2
NetR11_2: R11.2 U3.13 | length 1.5
  Top Layer L1 w0.127: U3.13 -6.409,-0.651 -6.018,-0.26 R11.2
NetR12_2: R12.2 U3.12 | length 1
  Top Layer L1 w0.127: U3.12 -5.909,-1.012 -5.659,-0.762 R12.2
NetR13_1: R13.1 U4.3 | length 1.3
  Top Layer L1 w0.127: U4.3 11.561,-18 12.048,-18 12.446,-18.398 R13.1
NetR14_1: R14.1 U5.23 | length 1
  Top Layer L1 w0.2: U5.23 11.193,-4.759 11.886,-4.066 R14.1
NetR15_1: R15.1 R17.2 U6.2 | length 3.1
  Top Layer L1 w0.203: U6.2 -1.977,18.503 -1.625,18.855 R15.1 -1.533,18.788 -0.136,18.788 R17.2
NetR16_1: R16.1 R18.2 U6.8 | length 2.7
  Top Layer L1 w0.2: U6.8 -1.477,15.889 -1.463,15.875 -0.762,15.875 -0.615,15.728 -0.218,15.728 -0.068,15.578 R18.2
  Top Layer L1 w0.203: R18.2@-0.068,15.528 0.169,15.291 R16.1
NetSW1_2: SW1.2 U2.8 U2.9 | length 14
  Top Layer L1 w0.3: v2(-17.399,1.524) -17.399,1.565 -17.342,1.621 -17.342,2.08 U2.8 U2.9 ; v2(-7.366,3.683) -7.366,4.862 SW1.2
  Bottom Layer L4 w0.127: v2(-17.399,1.524) -16.891,1.016 -15.621,1.016 -15.113,0.508 -12.827,0.508 -12.446,0.889 -10.668,0.889 -7.874,3.683 v2(-7.366,3.683)
NetU1_4,7,17,28,29,32,33,34,35: U1.4 U1.7 U1.17 U1.28 U1.29 U1.32 U1.33 U1.34 U1.35
NetU2_12: U2.12 U2.13 | length 0.4
  Top Layer L1 w0.203: U2.12 U2.13
RST: C29.2 R20.1 SW2.1 U1.8 | length 32.2
  Top Layer L1 w0.127: R20.1 -18.635,-17.16 -18.049,-17.16 v1(-18.034,-17.145) ; U1.8 3.518,-13.932 4.064,-14.478 v1(4.064,-16.383)
  Top Layer L1 w0.2: SW2.1 -19.469,-19.977 -19.177,-19.685 C29.2 -18.68,-17.145 R20.1
  Bottom Layer L4 w0.127: v1(-18.034,-17.145) -17.906,-17.145 -17.652,-17.399 -15.748,-17.399 -14.224,-18.923 0.889,-18.923 2.032,-17.78 2.667,-17.78 v1(4.064,-16.383)
SPI_CS0: U1.22 U7.8 | length 10
  Top Layer L1 w0.127: v1(-6.35,-9.525) -6.35,-10.588 U1.22
  Bottom Layer L4 w0.127: v1(-6.35,-9.525) -4.445,-7.62 -3.429,-7.62 -2.281,-6.472 U7.8
SPI_CS1: U1.21 U5.2 | length 14
  Top Layer L1 w0.127: U1.21 -5.506,-9.638 -3.361,-7.493 5.632,-7.493 U5.2
SPI_MISO: U1.16 U5.5 U7.5 | length 17.8
  Top Layer L1 w0.127: U1.16 -1.524,-10.614 v1(-1.524,-9.525) -0.635,-8.636 6.611,-8.636 U5.5
  Bottom Layer L4 w0.127: v1(-1.524,-9.525) -1.524,-7.81 -0.381,-6.667 -0.381,-2.964 U7.5
SPI_MOSI: U1.19 U5.4 U7.6 | length 20.6
  Top Layer L1 w0.127: U1.19 -3.81,-10.536 v1(-3.81,-9.525) -2.54,-8.255 6.285,-8.255 U5.4
  Bottom Layer L4 w0.127: v1(-3.81,-9.525) -0.981,-6.696 U7.6
SPI_SCK: U1.20 U5.3 U7.7 | length 21.3
  Top Layer L1 w0.127: U1.20 -4.699,-10.625 v1(-4.699,-9.525) -3.048,-7.874 5.958,-7.874 U5.3
  Bottom Layer L4 w0.127: v1(-4.699,-9.525) -1.631,-6.457 U7.7
STEP: U1.13 U5.6 | length 7.9
  Top Layer L1 w0.127: U1.13 0.894,-10.432 2.309,-9.017 6.937,-9.017 U5.6
USB_D_N: J1.A7 J1.B7 U1.26 | length 13.3
  Top Layer L1 w0.158: v1(-15.875,-6.477) -15.873,-6.475 -14.866,-6.475 J1.A7 -14.21,-6.473 -14.141,-6.542 -13.439,-6.542 -12.212,-7.77 -12.212,-10.902 -10.668,-12.446 -9.599,-12.446 -9.485,-12.332 U1.26 ; v1(-15.875,-5.461) -15.869,-5.467 -14.87,-5.467 J1.B7
  Bottom Layer L4 w0.203: v1(-15.875,-6.477) v1(-15.875,-5.461)
USB_D_P: J1.A6 J1.B6 U1.27 | length 14.4
  Top Layer L1 w0.158: J1.A6 -15.663,-5.973 -15.665,-5.971 -16.085,-5.971 -16.087,-5.973 -16.26,-5.973 -16.521,-6.234 -16.521,-6.788 -16.336,-6.973 -16.095,-6.973 -16.085,-6.983 -15.665,-6.983 -15.655,-6.973 -14.21,-6.973 -14.141,-6.903 -13.589,-6.903 -12.573,-7.919 -12.573,-11.052 -10.493,-13.132 U1.27
VBAT: C8.2 J3.2 U3.14 U3.15 U3.16 | length 21.6
  Top Layer L1 w0.5: C8.2 -7.986,-0.714 -7.572,-0.714 -6.096,0.762 -6.096,1.524 -1.016,6.604 0.906,6.604 6.493,12.191 J3.2
VBUS: C3.2 J1.A4 J1.A9 J1.B4 J1.B9 R1.1 U2.4 | length 27.4
  Top Layer L1 w0.127: U2.4 -16.056,4.816 -16.056,5.131 -15.928,5.26 -15.689,5.26 R1.1
  Top Layer L1 w0.3: J1.A9@-15.289,-8.773 J1.A9
  Top Layer L1 w0.35: -15.68,-8.382 J1.A9@-15.289,-8.773
  Top Layer L1 w0.4: -16.637,-8.382 v2(-16.158,-8.382) -15.68,-8.382 ; v2(-16.002,-4.191) -15.992,-4.181 -15.762,-4.181 -15.254,-3.673 J1.A4 J1.A4@-14.814,-3.723
  Top Layer L1 w0.6: -16.637,-8.382 -17.843,-7.175 -17.843,0.112 -19.05,1.319 -19.05,4.699 -17.419,6.33 -16.558,6.33 -16.453,6.353 C3.2
  Bottom Layer L4 w0.4: v2(-16.158,-8.382) -16.158,-8.368 -17.145,-7.382 -17.145,-5.348 -16.002,-4.205 v2(-16.002,-4.191)
VIN: C4.2 C11.2 C13.2 C14.2 C17.2 C21.2 C22.2 C26.2 R15.2 U2.1 U5.16 U5.30 U6.3 | length 76.8
  Top Layer L1 w0.2: C14.2 7.761,-1.284 8.186,-1.284 8.834,-1.284 9.03,-1.481 C11.2
  Top Layer L1 w0.8: C4.2 -12.192,15.187 -7.393,19.986 -5.818,19.986 C21.2 0.64,20.061 2.413,18.288 2.413,16.852 2.882,16.383 6.477,16.383 7.239,17.145 9.271,17.145 11.811,14.605 12.354,14.605 14.109,12.85 14.709,12.85 18.288,9.271 18.288,3.683 14.092,-0.513 ; C14.2 7.761,-1.284 8.186,-1.284 8.957,-0.513 10.977,-0.513 11.306,-0.184 13.326,-0.184 13.655,-0.513 14.092,-0.513 ; C13.2 14.224,-7.834 14.732,-7.326 14.732,-1.153 14.092,-0.513
VREG: C7.2 C9.2 R13.2 U3.1 U3.20 U4.1 | length 32.6
  Top Layer L1 w0.4: v2(13.589,-18.288) 13.597,-18.296 13.597,-19.677 C9.2
  Bottom Layer L4 w0.4: v2(-8.509,-5.334) v2(-8.509,-5.842) -7.874,-6.477 -7.874,-10.541 -5.969,-12.446 -1.27,-12.446 0.254,-13.97 1.27,-13.97 3.048,-15.748 11.684,-15.748 13.589,-17.653 v2(13.589,-18.288) v2(13.589,-18.923)
pads on no net: J1.A8 J1.B8 J1.MH1 J1.MH2 J2.5 J2.6 J3.3 J3.4 SW2.2 SW2.3 SW3.2 SW3.3 U1.5 U1.6 U1.10 U1.18 U1.23 U1.24 U1.25 U1.30 U1.31 U2.6 U4.4 U5.1 U5.9 U5.11 U5.17 U5.19 U5.20 U5.21 U5.26 U6.1 U7.1 U7.2 U7.3 U7.4 U7.10 U7.14 U7.15 U7.16

## Polygon pours and split planes (outlines as drawn)
GND on Inner Layer L2 "NONET_L-01_P-001" (solid, pour order 0): -20.955,20.955 20.955,20.955 20.955,-20.955 -20.955,-20.955
GND on Inner Layer L3 "NONET_L-01_P-001" (solid, pour order 1): -20.955,20.955 20.955,20.955 20.955,-20.955 -20.955,-20.955

## Other copper
Top Layer L1:
  region net 3V3: 9.271,-19.558 7.874,-19.558 7.493,-19.177 6.35,-19.177 6.096,-19.431 6.096,-20.193 6.35,-20.447 8.89,-20.447 9.271,-20.066
  region net 5V: -10.228,12.251 -9.974,12.505 -3.878,12.505 -3.624,12.759 -3.624,13.648 -3.497,13.775 -2.481,13.775 -2.354,13.648 -2.354,8.568 -2.54,8.382 -3.624,8.382 -3.624,10.346 -9.847,10.346 -10.228,10.727
  region net 5V: -8.001,-2.921 -9.906,-2.921 -10.16,-3.175 -11.684,-3.175 -11.811,-3.302 -11.811,-4.826 -11.684,-4.953 -9.906,-4.953 -9.271,-4.318 -8.001,-4.318
  region net B2: 15.621,4.445 15.875,4.191 15.875,2.794 15.748,2.667 11.557,2.667 11.303,2.921 11.303,4.191 11.557,4.445 14.859,4.445
  region net B1: 15.621,6.477 15.875,6.223 15.875,4.826 15.748,4.699 11.557,4.699 11.303,4.953 11.303,6.223 11.557,6.477
  region net A2: 15.875,8.255 15.875,7.112 15.494,6.731 11.557,6.731 11.303,6.985 11.303,8.255 11.557,8.509 15.621,8.509 11.43,8.509 15.621,8.509
  region net A1: 15.621,10.541 15.875,10.287 15.875,9.017 15.621,8.763 11.684,8.763 11.303,9.144 11.303,10.287 11.557,10.541
  region net GND: 0.186,14.41 0.186,8.949 -0.381,8.382 -1.397,8.382 -1.592,8.577 -1.592,13.775 -1.465,13.902 -0.83,13.902 -0.703,14.029 -0.703,14.732 -0.136,14.732
  region net VREG: -8.763,-4.445 -8.128,-4.445 -8.001,-4.572 -8.001,-5.08 -7.874,-5.207 -7.366,-5.207 -7.239,-5.334 -7.239,-5.969 -7.366,-6.096 -9.906,-6.096 -10.16,-5.842 -10.16,-5.461 -9.906,-5.207 -9.525,-5.207
  region net VBUS: -16.256,4.572 -16.256,5.715 -16.51,5.969 -17.145,5.969 -17.399,6.223 -17.399,7.747 -17.145,8.001 -15.367,8.001 -15.113,7.747 -15.113,5.969 -15.367,5.715 -15.367,5.334 -15.621,5.08 -15.95,5.08 -16.056,4.974 -16.002,4.92 -16.002,4.572
  region net GND: 7.874,15.875 9.144,15.875 9.779,15.24 9.779,11.811 8.89,10.922 7.874,10.922 7.62,11.176 7.62,15.621
  region net GND: 11.811,-18.542 10.922,-18.542 10.668,-18.288 10.668,-17.399 10.541,-17.272 9.652,-17.272 9.525,-17.399 9.525,-18.288 8.001,-18.288 7.874,-18.161 7.874,-16.891 7.366,-16.383 6.35,-16.383 6.096,-16.637 6.096,-18.034 6.731,-18.669 7.747,-18.669 8.255,-19.177 9.398,-19.177 9.398,-19.304 9.652,-19.558 9.652,-20.066 9.906,-20.32 10.541,-20.32 10.668,-20.193 10.668,-19.304 10.922,-19.05 11.811,-19.05
  region net GND: -2.862,17.839 -2.862,16.95 -2.735,16.823 -0.957,16.823 -0.576,17.204 -0.576,17.966 -0.449,18.093 0.703,18.093 0.889,17.907 0.889,16.383 0.694,16.188 -0.322,16.188 -0.508,16.129 -0.635,16.129 -0.762,16.129 -0.889,16.129 -0.957,16.188 -1.338,16.569 -2.862,16.569 -3.116,16.823 -3.116,17.839
  region net GND: -5.969,16.764 -6.477,17.272 -6.477,18.288 -6.223,18.542 -5.207,18.542 -4.953,18.288 -4.064,18.288 -3.615,17.839 -2.862,17.839 -2.862,16.95 -3.048,16.764
  region net GND: -9.906,-1.397 -10.16,-1.651 -12.446,-1.651 -12.573,-1.524 -12.573,0.254 -12.192,0.635 -10.033,0.635 -9.906,0.508
  region net GND: -14.859,4.318 -14.859,4.191 -14.224,3.556 -11.43,3.556 -10.541,2.667 -10.541,1.524 -11.239,1.333 -11.43,1.143 -12.827,1.143 -13.081,1.143 -13.208,1.27 -13.208,2.286 -14.351,2.286 -14.732,2.667 -15.621,2.667 -15.621,4.318
  region net GND: -15.748,-2.413 -15.875,-2.286 -16.383,-2.286 -16.51,-2.159 -16.51,0.508 -16.764,0.762 -16.764,1.016
  region net GND: -20.193,0 -18.542,0 -18.288,-0.254 -18.288,-2.667 -18.542,-2.921 -20.193,-2.921 -20.447,-2.667 -20.447,-0.254
  region net GND: -16.764,1.016 -16.383,1.016 -16.383,0.889 -16.129,0.635 -15.875,0.635 -15.367,0.127 -14.097,0.127 -13.716,-0.254 -13.716,-2.794 -13.589,-2.921 -13.589,-3.302 -13.716,-3.429 -14.097,-3.429 -14.224,-3.302 -15.24,-3.302 -15.621,-2.921
  region net GND: -20.574,-12.319 -20.574,-9.779 -20.193,-9.398 -18.415,-9.398 -18.034,-9.779 -17.018,-9.779 -16.637,-9.398 -16.383,-9.398 -16.129,-9.652 -15.621,-9.652 -15.621,-9.525 -15.24,-9.144 -13.716,-9.144 -13.462,-9.398 -13.462,-10.16 -14.097,-10.795 -14.097,-12.319 -14.351,-12.573 -16.51,-12.573 -16.891,-12.192 -17.907,-12.192 -18.288,-12.573 -20.32,-12.573
  region net VIN: -14.986,4.953 -13.97,4.953 -13.081,5.842 -11.303,5.842 -11.049,5.588 -11.049,4.445 -11.303,4.191 -14.351,4.191 -14.732,4.572 -14.986,4.572
  region net NetC19_1: -2.862,16.197 -2.98,16.315 -10.355,16.315 -10.355,14.791 -10.228,14.664 -10.101,14.664 -4.513,14.664 -4.259,14.918 -4.259,15.299 -3.116,15.299 -2.862,15.553
  region net VIN: -2.413,17.399 -2.286,17.526 -2.286,19.304 -2.413,19.431 -4.572,19.431 -4.953,19.812 -4.953,20.447 -5.08,20.574 -6.35,20.574 -6.477,20.447 -6.477,19.431 -6.35,19.304 -5.334,19.304 -4.826,18.796 -2.794,18.796 -2.54,18.542 -2.54,17.526
  region net VIN: 8.509,-3.556 7.874,-2.921 7.874,-2.667 8.763,-1.778 9.144,-1.778 9.398,-1.524 8.89,-1.016 8.763,-1.016 7.62,0.127 7.366,0.127 6.477,-0.762 6.477,-1.143 7.493,-2.159 7.239,-2.413 7.239,-2.54 7.62,-2.921 7.62,-3.175 8.255,-3.81
  region net VIN: 11.684,-7.493 12.319,-8.128 12.827,-8.128 13.97,-6.985 14.224,-6.985 15.367,-8.128 15.367,-8.382 14.478,-9.271 14.351,-9.271 13.843,-8.763 13.462,-8.763 13.335,-8.89 13.081,-8.89 12.573,-8.382 12.192,-8.382 11.557,-7.747 11.684,-7.62
  region net VBAT: -7.62,-0.254 -8.509,-0.254 -8.89,-0.635 -8.89,-2.667 -8.763,-2.794 -8.128,-2.794 -8.001,-2.667 -8.001,-2.159 -7.874,-2.032 -7.366,-2.032 -6.858,-2.032 -6.731,-1.905 -6.731,-1.143 -6.858,-1.016 -7.239,-1.016 -7.493,-0.762 -7.493,-0.381
  region net VREG: 14.097,-19.05 12.192,-19.05 11.811,-19.431 11.049,-19.431 10.922,-19.558 10.922,-19.939 11.049,-20.066 12.827,-20.066 13.208,-20.447 14.097,-20.447 14.224,-20.32 14.224,-19.177
Bottom Layer L4:
  region net GND: -14.859,4.318 -17.272,4.318 -17.526,4.064 -17.526,2.667 -17.399,2.54 -14.859,2.54 -14.732,2.667 -14.732,4.191

## Silkscreen, mask and mechanical layers (free items; w line width, h text height)
Top Overlay:
  circle w0.25: c14.478,-14.656 r3.832
  circle w0.25: c14.91,-14.58 r3.353
  circle w0.25: c15.24,-14.757 r2.82
  circle w0.25: c15,15 r2.309
  circle w0.25: c-15,-15 r2.306
  circle w0.25: c15.494,-14.935 r2.301
  circle w0.25: c-15,15 r2.3
  lines w0.254: -19.431,16.637 -19.431,14.478 ; 11.049,2.794 8.89,2.794 8.89,4.445 8.89,6.604 ; 11.049,10.414 8.89,10.414 8.89,8.509 8.89,6.604 ; 18.669,-17.551 18.669,-11.455 ; 18.745,-11.455 19.66,-10.541 ; -19.431,14.478 -18.923,14.986 -19.939,14.986 -19.431,14.478 ; 8.89,6.604 11.049,6.604 8.89,6.604 ; 18.669,-18.669 18.669,-10.541 20.752,-10.541 20.752,-18.669 18.669,-18.669
  text "Pulse:" at -20.501,19.758 h1
  text "OK" at -13.262,19.758 h1
  text "Solid:" at -20.501,18.488 h1
  text "ERROR" at -13.262,18.488 h1
  text "Fast:" at -20.501,17.218 h1
  text "ERROR" at -13.262,17.091 h1
  text "-" at 8.201,11.384 h1
  text "+" at 6.169,11.336 h1
  text "A1" at 9.344,8.963 h1
  text "BATTERY" at 0.889,7.268 h1 r45
  text "A2" at 9.344,7.058 h1
  text "B1" at 9.344,5.153 h1
  text "20V" at -10.937,3.502 h1
  text "12V" at -6.531,3.502 h1
  text "B2" at 9.344,3.248 h1
  text "FULL" at 1.524,0.664 h1 r45
  text "CHARGING" at -2.54,-0.606 h1 r45
  text "POWER" at 2.286,-1.495 h1 r45
  text "MOTOR" at 15.113,-4.035 h1 r45
  text "BOOT" at 5.788,-12.246 h1
  text "StepBoi" at 20.168,-17.732 h1 r90
  text "ESP32-H2" at -10.106,-19.612 h1 r90
  text "RST" at -14.424,-20.501 h1 r90
Mechanical 15:
  the board outline again, w0.254

## Text inside footprints (layer, text, board x,y; h text height)
U1: Mechanical 13 "PCB Edge" at -10.206,-21.332 h0.9 r180
U6: Mechanical 13 "RefDes2" at -2.608,16.125 h1.27 r270